# KiCad board longboi.kicad_pcb (continued)
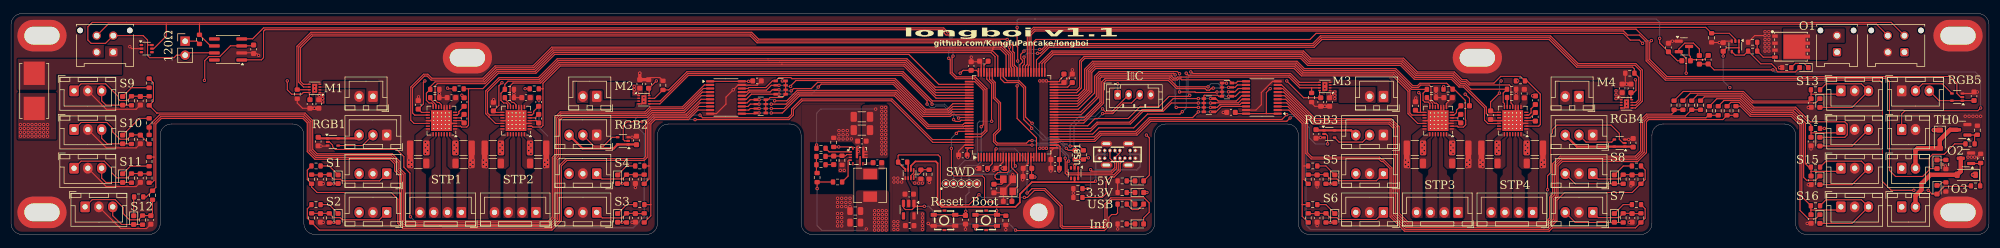
[diagram p0: board, top side]
## Library data of the parts (continued)
USB1 = -: Datasheet: https://lcsc.com/product-detail/USB-Type-C_Korean-Hroparts-Elec-TYPE-C-31-M-15_C223908.html; LCSC Part: C223908
Y1 = -: Description: Four pin crystal, GND on pins 2 and 4; LCSC: C9006; ki_fp_filters: Crystal*

## Footprints (pads in the part's own frame, mm; a bottom-side part is the same pattern mirrored in y, then rotated)
C_0603_1608Metric
  rrect 0.9x0.95 smd: 1(-0.775,0) 2(0.775,0)
C_0805_2012Metric
  rrect 1x1.45 smd: 1(-0.95,0) 2(0.95,0)
C_1206_3216Metric
  rrect 1.15x1.8 smd: 1(-1.475,0) 2(1.475,0)
C_1210_3225Metric
  rrect 1.15x2.7 smd: 1(-1.475,0) 2(1.475,0)
Crystal_SMD_3225-4Pin_3.2x2.5mm
  rect 1.4x1.2 smd: 1(-1.1,-0.85) 2(1.1,-0.85) 3(1.1,0.85) 4(-1.1,0.85)
D_SOD-123
  rrect 0.9x1.2 smd: 1(-1.65,0) 2(1.65,0)
DFN-8_L5.9-W5.2-P1.27-LS6.2-BL
  rect 0.6x1 smd: 1(-1.91,-2.92) 2(-0.63,-2.92) 3(0.63,-2.92) 4(1.9,-2.92) 5(1.9,2.92) 6(0.63,2.92) 7(-0.63,2.92) 8(-1.91,2.92)
  rect 4.41x4 smd: 9(0,0.61)
Fuseholder_Littelfuse_Nano2_154x
  rect 4.24x3.81 smd: 1(-3.185,0) 2(3.185,0)
JST_PH_B4B-PH-K_1x04_P2.00mm_Vertical
  rrect 1.2x1.75 hole 0.75: 1(0,0)
  oval 1.2x1.75 hole 0.75: 2(2,0) 3(4,0) 4(6,0)
JST_XH_B2B-XH-A_1x02_P2.50mm_Vertical
  rrect 1.7x2 hole 1: 1(0,0)
  oval 1.7x2 hole 1: 2(2.5,0)
JST_XH_B3B-XH-A_1x03_P2.50mm_Vertical
  rrect 1.7x1.95 hole 0.95: 1(0,0)
  oval 1.7x1.95 hole 0.95: 2(2.5,0) 3(5,0)
JST_XH_B4B-XH-A_1x04_P2.50mm_Vertical
  rrect 1.7x1.95 hole 0.95: 1(0,0)
  oval 1.7x1.95 hole 0.95: 2(2.5,0) 3(5,0) 4(7.5,0)
L_Chilisin_BMRA00050530
  rect 1.9x2.5 smd: 1(-2.05,0) 2(2.05,0)
LED_0603_1608Metric
  rrect 0.875x0.95 smd: 1(-0.787,0) 2(0.787,0)
LQFP-100_14x14mm_P0.5mm
  rrect 1.6x0.3 smd: 1(-7.675,6) 2(-7.675,5.5) 3(-7.675,5) 4(-7.675,4.5) 5(-7.675,4) 6(-7.675,3.5) 7(-7.675,3) 8(-7.675,2.5) 9(-7.675,2) 10(-7.675,1.5) 11(-7.675,1) 12(-7.675,0.5) 13(-7.675,0) 14(-7.675,-0.5) 15(-7.675,-1) 16(-7.675,-1.5) 17(-7.675,-2) 18(-7.675,-2.5) 19(-7.675,-3) 20(-7.675,-3.5) 21(-7.675,-4) 22(-7.675,-4.5) 23(-7.675,-5) 24(-7.675,-5.5) 25(-7.675,-6) 51(7.675,-6) 52(7.675,-5.5) 53(7.675,-5) 54(7.675,-4.5) 55(7.675,-4) 56(7.675,-3.5) 57(7.675,-3) 58(7.675,-2.5) 59(7.675,-2) 60(7.675,-1.5) 61(7.675,-1) 62(7.675,-0.5) 63(7.675,0) 64(7.675,0.5) 65(7.675,1) 66(7.675,1.5) 67(7.675,2) 68(7.675,2.5) 69(7.675,3) 70(7.675,3.5) 71(7.675,4) 72(7.675,4.5) 73(7.675,5) 74(7.675,5.5) 75(7.675,6)
  rrect 0.3x1.6 smd: 26(-6,-7.675) 27(-5.5,-7.675) 28(-5,-7.675) 29(-4.5,-7.675) 30(-4,-7.675) 31(-3.5,-7.675) 32(-3,-7.675) 33(-2.5,-7.675) 34(-2,-7.675) 35(-1.5,-7.675) 36(-1,-7.675) 37(-0.5,-7.675) 38(0,-7.675) 39(0.5,-7.675) 40(1,-7.675) 41(1.5,-7.675) 42(2,-7.675) 43(2.5,-7.675) 44(3,-7.675) 45(3.5,-7.675) 46(4,-7.675) 47(4.5,-7.675) 48(5,-7.675) 49(5.5,-7.675) 50(6,-7.675) 76(6,7.675) 77(5.5,7.675) 78(5,7.675) 79(4.5,7.675) 80(4,7.675) 81(3.5,7.675) 82(3,7.675) 83(2.5,7.675) 84(2,7.675) 85(1.5,7.675) 86(1,7.675) 87(0.5,7.675) 88(0,7.675) 89(-0.5,7.675) 90(-1,7.675) 91(-1.5,7.675) 92(-2,7.675) 93(-2.5,7.675) 94(-3,7.675) 95(-3.5,7.675) 96(-4,7.675) 97(-4.5,7.675) 98(-5,7.675) 99(-5.5,7.675) 100(-6,7.675)
Molex_Micro-Fit_3.0_43045-0212_2x01_P3.00mm_Vertical
  round 1.02 hole 1.02 unplated: (-3,-3.94) (3,-3.94)
  rrect 1.5x1.5 hole 1.02: 1(0,0)
  round 1.5 hole 1.02: 2(0,-3)
Molex_Micro-Fit_3.0_43045-0412_2x02_P3.00mm_Vertical
  round 1.02 hole 1.02 unplated: (-3,-3.94) (6,-3.94)
  rrect 1.5x1.5 hole 1.02: 1(0,0)
  round 1.5 hole 1.02: 2(3,0) 3(0,-3) 4(3,-3)
MountingHole_3.2mm_M3_ISO7380_Pad
  round 5.7 hole 3.2: 1(0,0)
MountingSlot3.2mm
  oval 8.9x5.7 hole 6.4x3.2: 1(0,0)
PinHeader_1x02_P2.54mm_Vertical
  rect 1.7x1.7 hole 1: 1(0,0)
  oval 1.7x1.7 hole 1: 2(0,-2.54)
QFN-28-1EP_5x5mm_P0.5mm_EP3.75x3.75mm_ThermalVias
  custom 0.383x0.383 smd: (-1.637,1.637) (-1.637,-1.637) (1.637,1.637) (1.637,-1.637)
  custom 0.383x0.564 smd: (-1.637,1.05) (-1.637,0.35) (-1.637,-0.35) (-1.637,-1.05) (1.637,1.05) (1.637,0.35) (1.637,-0.35) (1.637,-1.05)
  custom 0.564x0.383 smd: (-1.05,1.637) (-1.05,-1.637) (-0.35,1.637) (-0.35,-1.637) (0.35,1.637) (0.35,-1.637) (1.05,1.637) (1.05,-1.637)
  custom 0.564x0.564 smd: (-1.05,1.05) (-1.05,0.35) (-1.05,-0.35) (-1.05,-1.05) (-0.35,1.05) (-0.35,0.35) (-0.35,-0.35) (-0.35,-1.05) (0.35,1.05) (0.35,0.35) (0.35,-0.35) (0.35,-1.05) (1.05,1.05) (1.05,0.35) (1.05,-0.35) (1.05,-1.05)
  rrect 0.775x0.25 smd: 1(-2.462,1.5) 2(-2.462,1) 3(-2.462,0.5) 4(-2.462,0) 5(-2.462,-0.5) 6(-2.462,-1) 7(-2.462,-1.5) 15(2.462,-1.5) 16(2.462,-1) 17(2.462,-0.5) 18(2.462,0) 19(2.462,0.5) 20(2.462,1) 21(2.462,1.5)
  rrect 0.25x0.775 smd: 8(-1.5,-2.462) 9(-1,-2.462) 10(-0.5,-2.462) 11(0,-2.462) 12(0.5,-2.462) 13(1,-2.462) 14(1.5,-2.462) 22(1.5,2.462) 23(1,2.462) 24(0.5,2.462) 25(0,2.462) 26(-0.5,2.462) 27(-1,2.462) 28(-1.5,2.462)
  round 0.5 hole 0.2: 29(-1.4,1.4) 29(-1.4,0.7) 29(-1.4,0) 29(-1.4,-0.7) 29(-1.4,-1.4) 29(-0.7,1.4) 29(-0.7,0.7) 29(-0.7,0) 29(-0.7,-0.7) 29(-0.7,-1.4) 29(0,1.4) 29(0,0.7) 29(0,0) 29(0,-0.7) 29(0,-1.4) 29(0.7,1.4) 29(0.7,0.7) 29(0.7,0) 29(0.7,-0.7) 29(0.7,-1.4) 29(1.4,1.4) 29(1.4,0.7) 29(1.4,0) 29(1.4,-0.7) 29(1.4,-1.4)
  rect 3.3x3.3 smd far side: 29(0,0)
  rect 3.75x3.75 smd: 29(0,0)
R_0603_1608Metric
  rrect 0.8x0.95 smd: 1(-0.825,0) 2(0.825,0)
R_1206_3216Metric
  rrect 1.125x1.75 smd: 1(-1.462,0) 2(1.462,0)
R_Array_Convex_4x0603
  rect 0.8x0.5 smd: 1(-0.9,1.2) 4(-0.9,-1.2) 5(0.9,-1.2) 8(0.9,1.2)
  rect 0.8x0.4 smd: 2(-0.9,0.4) 3(-0.9,-0.4) 6(0.9,-0.4) 7(0.9,0.4)
SOIC-8_3.9x4.9mm_P1.27mm
  rrect 1.95x0.6 smd: 1(-2.475,1.905) 2(-2.475,0.635) 3(-2.475,-0.635) 4(-2.475,-1.905) 5(2.475,-1.905) 6(2.475,-0.635) 7(2.475,0.635) 8(2.475,1.905)
SOT-23
  rrect 1.475x0.6 smd: 1(-0.938,0.95) 2(-0.938,-0.95) 3(0.938,0)
SOT-23-5
  rrect 1.325x0.6 smd: 1(-1.137,0.95) 2(-1.137,0) 3(-1.137,-0.95) 4(1.137,-0.95) 5(1.137,0.95)
SOT-353_SC-70-5
  rrect 0.65x0.4 smd: 1(-0.95,0.65) 2(-0.95,0) 3(-0.95,-0.65) 4(0.95,-0.65) 5(0.95,0.65)
SOT-363_SC-70-6
  rrect 0.65x0.4 smd: 1(-0.95,0.65) 2(-0.95,0) 3(-0.95,-0.65) 4(0.95,-0.65) 5(0.95,0) 6(0.95,0.65)
SOT-583-8
  rrect 0.67x0.3 smd: 1(-0.74,0.75) 2(-0.74,0.25) 3(-0.74,-0.25) 4(-0.74,-0.75) 5(0.74,-0.75) 6(0.74,-0.25) 7(0.74,0.25) 8(0.74,0.75)
SW-SMD_4P-L3.4-W3.4-P2.00-LS4.0_TS3315A160GF
  rect 1.1x0.7 smd: 1(-1.95,1) 2(1.95,1) 3(-1.95,-1) 4(1.95,-1)
  rect 0.7x0.4 smd: 5(0,1.76) 5(0,-1.76)
TestPoint_THTPad_D1.0mm_Drill0.5mm
  round 1 hole 0.5: 1(0,0)
TSSOP-20_4.4x6.5mm_P0.65mm
  rrect 1.475x0.4 smd: 1(-2.862,2.925) 2(-2.862,2.275) 3(-2.862,1.625) 4(-2.862,0.975) 5(-2.862,0.325) 6(-2.862,-0.325) 7(-2.862,-0.975) 8(-2.862,-1.625) 9(-2.862,-2.275) 10(-2.862,-2.925) 11(2.862,-2.925) 12(2.862,-2.275) 13(2.862,-1.625) 14(2.862,-0.975) 15(2.862,-0.325) 16(2.862,0.325) 17(2.862,0.975) 18(2.862,1.625) 19(2.862,2.275) 20(2.862,2.925)
USBC-TH_TYPE-C-31-M-15
  oval 0.7x0.7 hole 0.4: 1(0.7,3.25) 2(0.7,2.3) 3(0.7,1.35) 4(0.7,0.45) 5(0.7,-0.45) 7(0.7,-2.3) 8(0.7,-3.25) 9(-0.7,-3.25) 10(-0.7,-2.3) 11(-0.7,-1.35) 12(-0.7,-0.45) 13(-0.7,0.45) 15(-0.7,2.3) 16(-0.7,3.25)
  oval 1x2 hole 0.5x1.4: 17(-1.93,2) 17(-1.93,-2) 17(1.93,2) 17(1.93,-2)
VQFN-HR-10_L3.0-W3.0_RPA
  rect 0.6x0.25 smd: 1(-1.36,0.75) 2(-1.36,0.25) 3(-1.36,-0.25) 4(-1.36,-0.75)
  rect 0.25x0.6 smd: 5(-0.89,-1.4) 7(0.91,-1.4) 10(-0.89,1.4)
  rect 0.25x1.7 smd: 6(0.41,-0.85)
  rect 0.4x2.1 smd: 8(0.99,0.65) 9(-0.17,0.65)
  rect 0.8x0.25 smd: 8(1.36,0.75) 8(1.36,0.25) 8(1.36,-0.25)
WSON-8-1EP_2x2mm_P0.5mm_EP0.9x1.6mm
  rect 0.75x0.65 smd: (0,0.4) (0,-0.4)
  rrect 0.5x0.25 smd: 1(-0.95,0.75) 2(-0.95,0.25) 3(-0.95,-0.25) 4(-0.95,-0.75) 5(0.95,-0.75) 6(0.95,-0.25) 7(0.95,0.25) 8(0.95,0.75)
  rect 0.9x1.6 smd: 9(0,0)

## Nets
+3.3V: C1.2 C2.2 C4.2 C5.2 C7.2 C9.2 C11.2 C12.2 C13.2 C14.1 C15.1 C19.2 C25.2 C31.2 C37.2 C40.2 C42.2 C44.2 C46.2 C52.1 C59.1 D3.2 D32.2 J1.1 J6.1 R2.2 R3.2 R103.1 R104.1 R105.1 R106.1 R110.2 RN1.5 RN1.6 RN1.7 RN1.8 RN2.5 RN2.6 RN2.7 RN2.8 RN3.5 RN3.6 RN3.7 RN3.8 RN4.5 RN4.6 RN4.7 RN4.8 SW2.1 SW2.2 U1.6 U1.11 U1.20 U1.21 U1.27 U1.50 U1.75 U1.100 U2.1 U2.20 U3.1 U3.20 U4.15 U5.15 U6.15 U7.15 U8.8 U9.8 U10.8 U11.8 U19.5 U24.3
+5V: C41.2 C43.2 C45.2 C47.2 C48.2 C49.2 C50.2 C51.2 C60.1 C61.1 C79.2 C80.2 D4.2 D15.2 D16.2 D17.2 D18.2 D19.2 D20.2 D21.2 D22.2 D23.2 D24.2 D25.2 D26.2 D27.2 D28.2 D29.2 D30.2 J15.3 J16.3 J17.3 J18.3 J23.3 J24.3 J25.3 J26.3 J27.3 J28.3 J29.3 J30.3 J31.3 J32.3 J33.3 J34.3 J35.3 J36.3 J37.3 J38.3 J40.3 L1.2 R13.1 R21.1 R29.1 R31.1 R33.1 R35.1 R37.1 R39.1 R41.1 R43.1 R45.1 R47.1 R49.1 R51.1 R53.1 R55.1 R57.1 R59.1 R107.1 U8.1 U9.1 U10.1 U11.1 U12.1 U12.5 U13.1 U13.5 U14.1 U14.5 U15.1 U15.5 U17.3 U17.5 U21.1 U21.5 U22.1 U22.5
+24V: C17.2 C20.2 C21.2 C23.2 C26.2 C27.2 C29.2 C32.2 C33.2 C35.2 C38.2 C39.2 C53.1 C54.1 C55.1 D7.1 D10.1 F1.2 J39.1 J41.1 J44.1 R16.1 U4.22 U4.28 U5.22 U5.28 U6.22 U6.28 U7.22 U7.28 U18.8
/Power/AGND: R15.1 R23.2 U18.3 U18.10
GND: C1.1 C2.1 C3.2 C4.1 C5.1 C6.2 C7.1 C8.1 C9.1 C10.1 C11.1 C12.1 C13.1 C14.2 C15.2 C18.1 C19.1 C20.1 C21.1 C24.1 C25.1 C26.1 C27.1 C30.1 C31.1 C32.1 C33.1 C36.1 C37.1 C38.1 C39.1 C40.1 C41.1 C42.1 C43.1 C44.1 C45.1 C46.1 C47.1 C48.1 C49.1 C50.1 C51.1 C52.2 C53.2 C54.2 C55.2 C57.2 C59.2 C60.2 C61.2 C62.2 C63.2 C64.2 C65.2 C66.2 C67.2 C68.2 C69.2 C70.2 C71.2 C72.2 C73.2 C74.2 C75.2 C76.2 C77.2 C78.2 C79.1 C80.1 C82.1 D32.1 H1.1 H2.1 H3.1 H4.1 H5.1 H6.1 H7.1 J5.1 J6.4 J15.1 J16.1 J17.1 J18.1 J20.2 J21.2 J23.2 J24.2 J25.2 J26.2 J27.2 J28.2 J29.2 J30.2 J31.2 J32.2 J33.2 J34.2 J35.2 J36.2 J37.2 J38.2 J40.1 J50.2 Q1.1 Q1.2 Q1.3 Q2.2 Q4.2 R1.1 R4.2 R5.2 R6.2 R7.2 R8.2 R9.2 R10.2 R11.2 R14.2 R15.2 R20.2 R24.1 R25.1 R26.1 R27.1 R28.2 R61.1 R63.2 R64.1 R66.2 R67.1 R68.1 R69.1 R70.1 R72.2 R73.2 R95.1 R96.1 R97.1 R98.1 R99.2 R100.2 R101.2 R102.2 SW1.1 SW1.2 U1.10 U1.19 U1.26 U1.49 U1.74 U1.99 U2.10 U2.19 U3.10 U3.19 U4.3 U4.9 U4.10 U4.18 U4.29 U5.3 U5.9 U5.10 U5.18 U5.29 U6.3 U6.9 U6.10 U6.18 U6.29 U7.3 U7.9 U7.10 U7.18 U7.29 U8.4 U8.9 U9.4 U9.9 U10.4 U10.9 U11.4 U11.9 U12.3 U13.3 U14.3 U15.3 U17.1 U18.9 U19.2 U20.2 U21.3 U22.3 U23.2 U24.2 USB1.1 USB1.8 USB1.9 USB1.16 USB1.17 Y1.2 Y1.4
VBUS: U17.6 U20.5 USB1.2 USB1.7 USB1.10 USB1.15
/24V_CAN/CANH: J19.2 J20.3 J21.3 U23.6 U24.7
/24V_CAN/CANL: J20.4 J21.4 R12.1 U23.5 U24.6
/Endstops/Switch 1/SW: R60.2 R94.1 U3.6
/Endstops/Switch 2/SW: R56.2 R92.1 U3.7
/Endstops/Switch 3/SW: R48.2 R88.1 U3.9
/Endstops/Switch 4/SW: R52.2 R90.1 U3.8
/Endstops/Switch 5/SW: R44.2 R86.1 U2.3
/Endstops/Switch 6/SW: R40.2 R84.1 U2.2
/Endstops/Switch 7/SW: R36.2 R82.1 U2.4
/Endstops/Switch 8/SW: R32.2 R80.1 U2.5
/Endstops/Switch 9/SW: R58.2 R93.1 U3.2
/Endstops/Switch 10/SW: R54.2 R91.1 U3.3
/Endstops/Switch 11/SW: R50.2 R89.1 U3.4
/Endstops/Switch 12/SW: R46.2 R87.1 U3.5
/Endstops/Switch 13/SW: R42.2 R85.1 U2.9
/Endstops/Switch 14/SW: R38.2 R83.1 U2.8
/Endstops/Switch 15/SW: R34.2 R81.1 U2.7
/Endstops/Switch 16/SW: R30.2 R79.1 U2.6
/Outputs/High Power 1/EN: D5.2 R62.1 U21.4
/Power/FB: C58.2 R22.2 R23.1 U18.2
/Power/PG: R107.2 U18.4
BOOT0: R28.1 SW2.3 SW2.4 U1.94
CAN_RX: U1.95 U24.4
CAN_TX: U1.96 U24.1
I2C5_SCL: J6.3 R3.1 U1.67
I2C5_SDA: J6.2 R2.1 U1.66
INFO: D1.2 U1.7
MOT1_IN1: U1.61 U8.6
MOT1_IN2: U1.63 U8.5
MOT1_SLP: R26.2 U1.62 U8.7
MOT2_IN1: U1.89 U9.6
MOT2_IN2: U1.90 U9.5
MOT2_SLP: R27.2 U1.83 U9.7
MOT3_IN1: U1.31 U10.6
MOT3_IN2: U1.34 U10.5
MOT3_SLP: R67.2 U1.38 U10.7
MOT4_IN1: U1.59 U11.6
MOT4_IN2: U1.60 U11.5
MOT4_SLP: R68.2 U1.54 U11.7
NRST: C62.1 J4.1 SW1.3 SW1.4 U1.14
OUT1: R20.1 U1.58 U21.2
OUT2: D6.2 R65.1 U1.57
OUT3: D9.2 R71.1 U1.56
RGB1: U1.97 U12.2
RGB2: U1.98 U13.2
RGB3: U1.29 U14.2
RGB4: U1.28 U15.2
RGB5: U1.55 U22.2
STP1_DIAG: U1.69 U4.11
STP1_DIR: U1.64 U4.19
STP1_EN: R103.2 U1.77 U4.2
STP1_STEP: U1.65 U4.16
STP1_UART: R95.2 U1.68 U4.14
STP2_DIAG: U1.81 U5.11
STP2_DIR: U1.78 U5.19
STP2_EN: R104.2 U1.82 U5.2
STP2_STEP: U1.79 U5.16
STP2_UART: R96.2 U1.80 U5.14
STP3_DIAG: U1.44 U6.11
STP3_DIR: U1.41 U6.19
STP3_EN: R105.2 U1.45 U6.2
STP3_STEP: U1.42 U6.16
STP3_UART: R97.2 U1.43 U6.14
STP4_DIAG: U1.52 U7.11
STP4_DIR: U1.46 U7.19
STP4_EN: R106.2 U1.53 U7.2
STP4_STEP: U1.47 U7.16
STP4_UART: R98.2 U1.51 U7.14
SW1: RN4.1 U1.88 U3.14
SW2: RN4.2 U1.91 U3.13
SW3: RN4.4 U1.93 U3.11
SW4: RN4.3 U1.92 U3.12
SW5: RN1.2 U1.39 U2.17
SW6: RN1.1 U1.30 U2.18
SW7: RN1.3 U1.32 U2.16
SW8: RN1.4 U1.33 U2.15
SW9: RN3.1 U1.84 U3.18
SW10: RN3.2 U1.85 U3.17
SW11: RN3.3 U1.86 U3.16
SW12: RN3.4 U1.87 U3.15
SW13: RN2.4 U1.37 U2.11
SW14: RN2.3 U1.36 U2.12
SW15: RN2.2 U1.35 U2.13
SW16: RN2.1 U1.40 U2.14
SWCLK: J3.1 U1.76
SWDIO: J2.1 U1.72
TH0: C82.2 R109.1 U1.22
USB_DN: U1.70 U20.1 USB1.5 USB1.13
USB_DP: U1.71 U20.6 USB1.4 USB1.12
Net-(C8-Pad2): C8.2 U1.48
Net-(C10-Pad2): C10.2 U1.73
Net-(C58-Pad1): C58.1 R19.2
Net-(D1-K): D1.1 R1.2
Net-(D2-A): D2.2 R18.1
Net-(D2-K): D2.1 R17.2 U17.8
Net-(D3-K): D3.1 R24.2
Net-(D4-K): D4.1 R25.2
Net-(D5-K): D5.1 R61.2
Net-(D6-K): D6.1 R64.2
Net-(D7-A): D7.2 J41.2 Q2.3
Net-(D9-K): D9.1 R70.2
Net-(D10-A): D10.2 J44.2 Q4.3
Net-(D15-K): D15.1 R79.2
Net-(D16-K): D16.1 R80.2
Net-(D17-K): D17.1 R81.2
Net-(D18-K): D18.1 R82.2
Net-(D19-K): D19.1 R83.2
Net-(D20-K): D20.1 R84.2
Net-(D21-K): D21.1 R85.2
Net-(D22-K): D22.1 R86.2
Net-(D23-K): D23.1 R87.2
Net-(D24-K): D24.1 R88.2
Net-(D25-K): D25.1 R89.2
Net-(D26-K): D26.1 R90.2
Net-(D27-K): D27.1 R91.2
Net-(D28-K): D28.1 R92.2
Net-(D29-K): D29.1 R93.2
Net-(D30-K): D30.1 R94.2
Net-(D32-K-Pad3): D32.3 R108.1 R109.2
Net-(J7-Pin_1): J7.1 U4.1
Net-(J7-Pin_2): J7.2 U4.26
Net-(J7-Pin_3): J7.3 U4.24
Net-(J7-Pin_4): J7.4 U4.21
Net-(J8-Pin_1): J8.1 U5.1
Net-(J8-Pin_2): J8.2 U5.26
Net-(J8-Pin_3): J8.3 U5.24
Net-(J8-Pin_4): J8.4 U5.21
Net-(J9-Pin_1): J9.1 U6.1
Net-(J9-Pin_2): J9.2 U6.26
Net-(J9-Pin_3): J9.3 U6.24
Net-(J9-Pin_4): J9.4 U6.21
Net-(J10-Pin_1): J10.1 U7.1
Net-(J10-Pin_2): J10.2 U7.26
Net-(J10-Pin_3): J10.3 U7.24
Net-(J10-Pin_4): J10.4 U7.21
Net-(J11-Pin_1): J11.1 U8.3
Net-(J11-Pin_2): J11.2 U8.2
Net-(J12-Pin_1): J12.1 U9.3
Net-(J12-Pin_2): J12.2 U9.2
Net-(J13-Pin_1): J13.1 U10.3
Net-(J13-Pin_2): J13.2 U10.2
Net-(J14-Pin_1): J14.1 U11.3
Net-(J14-Pin_2): J14.2 U11.2
Net-(J15-Pin_2): J15.2 U12.4
Net-(J16-Pin_2): J16.2 U13.4
Net-(J17-Pin_2): J17.2 U14.4
Net-(J18-Pin_2): J18.2 U15.4
Net-(J19-Pin_1): J19.1 R12.2
Net-(J20-Pin_1): F1.1 J20.1 J21.1
Net-(J23-Pin_1): C63.1 J23.1 R29.2 R30.1
Net-(J24-Pin_1): C64.1 J24.1 R31.2 R32.1
Net-(J25-Pin_1): C65.1 J25.1 R33.2 R34.1
Net-(J26-Pin_1): C66.1 J26.1 R35.2 R36.1
Net-(J27-Pin_1): C67.1 J27.1 R37.2 R38.1
Net-(J28-Pin_1): C68.1 J28.1 R39.2 R40.1
Net-(J29-Pin_1): C69.1 J29.1 R41.2 R42.1
Net-(J30-Pin_1): C70.1 J30.1 R43.2 R44.1
Net-(J31-Pin_1): C71.1 J31.1 R45.2 R46.1
Net-(J32-Pin_1): C72.1 J32.1 R47.2 R48.1
Net-(J33-Pin_1): C73.1 J33.1 R49.2 R50.1
Net-(J34-Pin_1): C74.1 J34.1 R51.2 R52.1
Net-(J35-Pin_1): C75.1 J35.1 R53.2 R54.1
Net-(J36-Pin_1): C76.1 J36.1 R55.2 R56.1
Net-(J37-Pin_1): C77.1 J37.1 R57.2 R58.1
Net-(J38-Pin_1): C78.1 J38.1 R59.2 R60.1
Net-(J39-Pin_2): J39.2 Q1.5 Q1.6 Q1.7 Q1.8 Q1.9
Net-(J40-Pin_2): J40.2 U22.4
Net-(J50-Pin_1): J50.1 R108.2 R110.1
Net-(Q1-G): Q1.4 R62.2 R63.1
Net-(Q2-G): Q2.1 R65.2 R66.1
Net-(Q4-G): Q4.1 R71.2 R72.1
Net-(R19-Pad1): R19.1 R21.2 R22.1
Net-(U1-PH0): C3.1 U1.12 Y1.3
Net-(U1-PH1): C6.1 U1.13 Y1.1
Net-(U4-5VOUT): C18.2 U4.8
Net-(U4-BRA): R4.1 U4.23
Net-(U4-BRB): R5.1 U4.27
Net-(U4-CLK): R99.1 U4.13
Net-(U4-CPI): C16.1 U4.5
Net-(U4-CPO): C16.2 U4.4
Net-(U4-VCP): C17.1 U4.6
Net-(U5-5VOUT): C24.2 U5.8
Net-(U5-BRA): R6.1 U5.23
Net-(U5-BRB): R7.1 U5.27
Net-(U5-CLK): R100.1 U5.13
Net-(U5-CPI): C22.1 U5.5
Net-(U5-CPO): C22.2 U5.4
Net-(U5-VCP): C23.1 U5.6
Net-(U6-5VOUT): C30.2 U6.8
Net-(U6-BRA): R8.1 U6.23
Net-(U6-BRB): R9.1 U6.27
Net-(U6-CLK): R101.1 U6.13
Net-(U6-CPI): C28.1 U6.5
Net-(U6-CPO): C28.2 U6.4
Net-(U6-VCP): C29.1 U6.6
Net-(U7-5VOUT): C36.2 U7.8
Net-(U7-BRA): R10.1 U7.23
Net-(U7-BRB): R11.1 U7.27
Net-(U7-CLK): R102.1 U7.13
Net-(U7-CPI): C34.1 U7.5
Net-(U7-CPO): C34.2 U7.4
Net-(U7-VCP): C35.1 U7.6
Net-(U17-PR1): R13.2 R14.1 U17.4
Net-(U18-BOOT): C56.1 U18.7
Net-(U18-EN): R16.2 U18.1
Net-(U18-SW): C56.2 L1.1 U18.6
Net-(U19-CE): C57.1 R17.1 R18.2 U17.2 U17.7 U19.1 U19.3
Net-(USB1-CC1): R69.2 USB1.3
Net-(USB1-CC2): R73.1 USB1.11

Pads without a net: SW1 5; SW2 5; U1 1 2 3 4 5 8 9 15 16 17 18 23 24 25; U4 7 12 17 20 25; U5 7 12 17 20 25; U6 7 12 17 20 25; U7 7 12 17 20 25; U18 5; U19 4; U20 3 4; U23 1 3 4; U24 5 8

## Via types
v1: diameter 0.6, hole 0.3, Top to Bottom, 454 vias

## Routing (per net, layer and track width the routed paths; a pad name or vN(x,y) marks a point on that pad's centre or on a via; arc(x,y) is an arc through that point)
+3.3V: length 158.9
  Top w0.2: v1(174.6,1) 174.55,1.05 SW2.2 SW2.1 ; 184.72,11.95 C9.2 185.22,10.47 v1(185.3,10.4) ; v1(269.4,25.6) 267.8,24 C37.2 ; v1(230.9,27.8) 233.95,24.75 C44.2 ; v1(88.86,27.47) 88.3,26.92 88.3,23.37 C25.2 ; C11.2 173.05,15.3 U1.100 ; v1(79,26.5) 79.13,26.37 80.28,26.37 ; RN4.5 RN4.6 RN4.7 RN4.8 137,24.4 137.4,24.8 139.6,24.8 RN3.5 RN3.6 RN3.7 RN3.8 v1(139.6,27.8) ; U5.15 87.56,22.11 ; U1.21 U1.20 184.6,12.12 ; v1(189.7,11.5) 189.75,11.55 C1.2 C2.2 ; v1(74.9,27.8) 74.62,27.52 74.62,23.62 C19.2 74.29,22.11 U4.15 ; 194.4,13.88 v1(195,13.88) ; U1.75 174.72,29.72 C7.2 172.32,29.72 v1(171.8,29.2) ; 115.47,26.47 v1(116.8,27.8) ; 180.1,12.22 U1.11 ; 268.06,22.11 U7.15 ; 227.2,21.88 U2.20 221.8,21.88 C14.1 ; 227.2,21.88 U2.1 ; 227.2,21.88 227.2,25.7 v1(227.9,26.4) ; v1(50,27.8) 50,26.2 50.8,25.4 52.6,25.4 52.9,25.7 U8.8 54,24.5 ; U1.27 189.61,16.17 189.88,15.91 189.88,13.7 ; RN1.8 RN1.7 RN1.6 RN1.5 215.9,25.1 216,25.2 218.4,25.2 218.57,25.03 219.18,25.03 219.18,27.42 219.97,27.42 v1(220,27.4) ; U6.15 255.1,22.11 ; 255.1,22.11 255.1,25.37 v1(254.8,25.67) ; 255.1,22.11 254.59,22.11 C31.2 ; v1(294,28) 294.1,27.9 294.1,26.1 293.68,25.67 C46.2 293.2,24.55 U11.8 ; R105.1 259.27,26.75 v1(259.3,26.78) ; C13.2 177.6,12.83 U1.6 ; v1(187.4,27.8) 187.53,27.67 U1.50 189.78,27.67 189.8,27.7 189.8,27.95 190.57,28.73 ; R2.2 R3.2 ; C5.2 179.43,11.97 v1(179.4,12) ; U10.8 236.85,24.95 ; R104.1 93.08,26.37 v1(93.05,26.4) ; D3.2 v1(205.6,7.6) ; D32.2 301.85,33.55 302.95,34.65 304.51,34.65 305.59,33.56 R110.2 ; v1(35,27.9) 35.01,27.9 35.06,27.94 35.06,31.46 35.81,32.22 37.78,32.22 39.72,34.16 43.77,34.16 ; 134.18,27.72 v1(133.5,27.72) U3.20 U3.1 ; 301.99,33.1 303.2,31.89 v1(303.2,29.2) ; U9.8 115.5,26.38 ; R106.1 v1(272.7,27.8)
  Power w0.2: v1(259.3,26.78) 259.3,27.7 ; v1(254.8,25.67) 254.8,27.6 ; v1(171.8,29.2) 171.8,28.1 ; v1(93.05,26.4) 93.05,27.45 93.1,27.5 ; v1(200.3,27.26) 200.3,27.7 ; v1(79,26.5) 79,27.6 ; v1(303.2,29.2) 303.2,28.1 ; v1(227.9,26.4) 227.9,27.5
  Bottom w0.2: J6.1 200.3,27.4 v1(200.3,27.26) ; v1(269.7,27.8) 269.4,27.5 v1(269.4,25.6)
  vias: v1(164.97,3.7) v1(164.97,3) v1(164.97,2.3) v1(164.97,1.6) v1(164.97,0.9) v1(173.1,14) v1(176.7,11.6) v1(186.2,27.8) v1(186.2,15.6) v1(186.8,27.8) v1(186.8,15.6) v1(187.4,15.6)
+5V: length 225.1
  Top w0.2: J24.3 283.12,9.18 R31.1 ; J35.3 16.4,17.4 17.39,16.41 D27.2 21.76,16.41 ; 239.56,9.18 v1(238.8,9.18) R43.1 ; R39.1 239.56,2.18 ; 21.76,9.41 D25.2 17.19,9.41 16.4,10.2 J33.3 ; J26.3 283.12,2.18 R35.1 ; U17.3 162.88,10.66 163.38,11.16 U17.5 ; 312.75,33.8 310.52,33.8 C79.2 v1(309.9,32.3) ; 312.75,33.8 U21.5 ; 312.75,33.8 U21.1 ; v1(205.5,18) 206.03,17.47 206.03,10.73 D4.2 ; D26.2 111.36,9.21 ; 21.76,23.41 D29.2 17.19,23.41 16.4,24.2 J37.3 ; R29.1 328.5,6.28 334.92,6.28 J23.3 333.21,2.01 D15.2 ; R41.1 328.5,27.28 334.92,27.28 J29.3 333.21,23.01 D21.2 ; R45.1 23.76,1.81 D23.2 19.99,1.81 18.4,3.4 J31.3 ; J40.3 348.98,24.22 U22.5 U22.1 355.27,24.22 ; R55.1 59.16,2.18 ; D17.2 333.21,9.01 J25.3 334.92,13.28 328.5,13.28 R33.1 ; R107.1 145.93,9.5 ; J27.3 333.21,16.01 D19.2 ; R21.1 v1(145.9,8.3) ; R37.1 v1(328.2,19.2) ; R59.1 59.16,9.18 ; D24.2 111.36,2.21
  Top w0.4: J17.3 242.55,18.85 U14.5 U14.1 236.32,18.85 ; J15.3 62.4,17.4 U12.5 U12.1 55.8,17.4 ; 293.52,15.9 U15.1 U15.5 283.4,15.9 J18.3 ; 113.15,16.3 U13.1 U13.5 109.07,15.57 103.43,15.57 J16.3
  Bottom w0.2: v1(154.8,1) 154.55,0.75 146.75,0.75 145.9,1.6 v1(145.9,8.3) ; v1(311.1,26.6) 309.9,27.8 v1(309.9,32.3)
  vias: v1(55.8,25.2) v1(56.4,25.2) v1(56.4,24.6) v1(56.4,24) v1(58.4,9.18) v1(58.4,2.18) v1(110.6,9.21) v1(110.6,2.21) v1(112.8,26.8) v1(112.8,26.2) v1(112.8,25.6) v1(113.4,25.6) v1(156.3,4.3) v1(156.3,3.6) v1(156.3,2.9) v1(156.3,2.2) v1(156.3,1.5) v1(156.3,0.8) v1(157,4.3) v1(157,3.6) v1(157,2.9) v1(157,2.2) v1(157,1.5) v1(157,0.8) v1(157.7,4.3) v1(157.7,3.6) v1(157.7,2.9) v1(157.7,2.2) v1(157.7,1.5) v1(157.7,0.8) v1(158.4,4.3) v1(158.4,3.6) v1(158.4,2.9) v1(158.4,2.2) v1(158.4,1.5) v1(158.4,0.8) v1(163.57,9.3) v1(164.28,9.3) v1(164.97,9.3) v1(238.8,2.18) v1(239,25.4) v1(239.6,25.8) v1(239.6,25.2) v1(239.6,24.6) v1(290.5,26) v1(290.5,25.3) v1(290.5,24.6) v1(291,24.9)
+24V: length 30
  Top w0.2: C35.2 275.43,25.08 v1(275.4,25.1) ; v1(145.8,16.2) 145.78,16.17 R16.1 ; C23.2 95.5,24.35 v1(95.55,24.3) ; 263.98,23.3 263.98,24.62 v1(263.2,25.4) ; 82,24.8 v1(81.6,25.2)
  Top w0.8: D10.1 v1(355.1,10.8) ; D7.1 v1(348,18.9)
  Bottom w0.2: v1(145.8,16.2) 145.8,21.95 146.55,22.7 v1(156.5,22.7) ; v1(95.55,24.3) 95.55,19.4 97.15,17.8
  vias: v1(1.7,19.9) v1(1.7,19.2) v1(1.7,18.5) v1(1.7,17.8) v1(2.4,19.9) v1(2.4,19.2) v1(2.4,18.5) v1(2.4,17.8) v1(3.1,19.9) v1(3.1,19.2) v1(3.1,18.5) v1(3.1,17.8) v1(3.8,19.9) v1(3.8,19.2) v1(3.8,18.5) v1(3.8,17.8) v1(4.5,19.9) v1(4.5,19.2) v1(4.5,18.5) v1(4.5,17.8) v1(5.2,19.9) v1(5.2,19.2) v1(5.2,18.5) v1(5.2,17.8) v1(5.9,19.9) v1(5.9,19.2) v1(5.9,18.5) v1(5.9,17.8) v1(6.6,19.9) v1(6.6,19.2) v1(6.6,18.5) v1(6.6,17.8) v1(75,16.67) v1(75,15.67) v1(75,14.67) v1(75.4,16.17) v1(75.4,15.17) v1(80.2,16.17) v1(80.2,15.17) v1(80.6,16.67) v1(80.6,15.67) v1(80.6,14.67) v1(88.5,16.67) v1(88.5,15.67) v1(88.5,14.67) v1(88.9,16.17) v1(88.9,15.17) v1(93.7,16.17) v1(93.7,15.17) v1(94.1,16.67) v1(94.1,15.67) v1(94.1,14.67) v1(157.6,23) v1(157.6,22.3) v1(157.6,21.6) v1(157.6,20.9) v1(157.6,20.2) v1(157.6,19.5) v1(157.6,18.8) v1(157.6,18.1) v1(157.6,17.4) v1(157.6,16.7) v1(157.6,16) v1(157.6,15.3) v1(157.6,14.6) v1(158.3,23) v1(158.3,22.3) v1(158.3,21.6) v1(158.3,20.9) v1(158.3,20.2) v1(158.3,19.5) v1(158.3,18.8) v1(158.3,18.1) v1(158.3,17.4) v1(158.3,16.7) v1(158.3,16) v1(158.3,15.3) v1(158.3,14.6) v1(255.4,16.67) v1(255.4,15.67) v1(255.4,14.67) v1(255.8,16.17) v1(255.8,15.17) v1(260.6,16.17) v1(260.6,15.17) v1(261,16.67) v1(261,15.67) v1(261,14.67) v1(268.9,16.67) v1(268.9,15.67) v1(268.9,14.67) v1(269.3,16.17) v1(269.3,15.17) v1(274.1,16.17) v1(274.1,15.17) v1(274.5,16.67) v1(274.5,15.67) v1(274.5,14.67)
/Power/AGND: length 3.6
  Top w0.2: R15.1 v1(149.8,15.85) 152.14,15.85 U18.10
  vias: v1(150.1,11.6) v1(150.8,11.6)
GND: length 221.3
  Top w0.2: C62.2 v1(172.75,0.96) ; R27.1 117.42,28.4 115.78,28.4 C42.1 ; v1(173.8,32.1) 173.78,32.08 C7.1 175.2,31.28 ; U22.3 355.02,25.53 ; J35.2 17.23,15.67 22.65,15.67 C75.2 ; R97.1 R101.2 259.32,24.77 ; v1(325.3,9) 325.32,9.03 C65.2 ; U4.18 U4.29 ; v1(44.81,32.42) 44.48,32.75 C52.2 ; 309.88,34.75 v1(309.2,34.75) 307.82,34.75 307.8,34.78 ; J33.2 17.23,8.67 22.65,8.67 23.4,9.43 ; 41.78,32.89 43.77,32.89 ; 174.88,11.97 v1(174.8,11.9) ; C70.2 v1(236.4,8.6) ; v1(166.2,9.4) 166.18,9.43 166.18,10.07 ; 190.57,27.55 C8.1 192.07,29.78 v1(192.1,29.8) ; v1(192.52,12.57) 192.5,12.54 U20.2 ; U1.49 190.25,27.17 C4.1 ; C15.2 135.02,27.02 132.31,27.02 ; J37.2 17.23,22.67 22.65,22.67 C77.2 ; U7.29 U7.18 268.01,20.61 ; U5.18 U5.29 ; R63.2 315.61,36.01 v1(317.47,36.01) ; U7.9 272.8,21.61 ; 57.2,16 v1(56.1,16) 56.05,16.05 C48.1 ; v1(325.1,2) 325.12,2.03 C63.2 ; U23.2 21.85,33.65 v1(21.5,34) ; 181.3,9.7 179.6,8 ; C12.1 184.1,12.88 U1.19 ; R69.1 v1(192.28,7.5) R73.2 ; U1.26 188.2,15.1 C2.1 C1.1 v1(188.2,11.5) ; U6.9 259.3,22.31 ; D32.1 v1(300.7,35) 300.36,35 C82.1 ; C66.2 292.93,2.22 v1(292.9,2.2) ; v1(56.5,2.2) 56.47,2.22 C76.2 ; R102.2 R98.1 ; U6.18 U6.29 ; 220.02,22.1 v1(219.4,22.1) ; 292.57,27.4 v1(292.4,27.22) 292.18,27.45 R68.1 ; U1.74 175.6,31.08 ; v1(183.1,9.9) 183.18,9.97 183.18,11.95 ; U4.9 78.9,21.61 ; C74.2 v1(113,8.5) ; v1(73.75,24.9) 73.7,24.85 C19.1 ; U4.10 78.4,22.21 ; C72.2 112.43,2.22 v1(112.4,2.2) ; J31.2 19.83,1.07 24.52,1.07 C71.2 ; R26.1 51.8,23.8 52.75,22.85 C40.1 ; 178.41,11.97 179.6,13.17 U1.10 ; U6.10 258.8,21.11 ; U5.9 92.4,21.61 ; C69.2 325.32,23.03 v1(325.3,23) ; U3.10 127.68,21.88 129.4,23.6 129.4,24.87 131.61,27.08 U3.19 ; 350.12,11.8 v1(350.12,12.4) ; U7.3 272.3,20.11 ; U9.4 114.15,23.65 v1(114.55,24.05) ; C18.1 R99.2 R95.1 ; R28.2 v1(180.05,0.86) ; v1(56.5,9.2) 56.47,9.22 C78.2 ; v1(254.25,24.7) 254.2,24.65 C31.1 ; U1.99 172.59,16.17 171.5,15.08 C11.1 v1(171.5,13.9) ; U15.3 293.43,17.2 ; U21.3 310.18,35 ; R24.1 R25.1 ; C44.1 236,23.2 235.4,23.8 R67.1 ; v1(166,2) 166.44,1.56 SW1.2 SW1.1 ; 293.4,9 v1(293.2,8.8) ; v1(87.35,24.4) 87.3,24.35 C25.1 ; U13.3 113,17.6 ; 92.43,24.77 R100.2 R96.1 ; Y1.2 v1(181.3,10.8) ; U11.4 292,22.9 v1(292.4,23.3) ; U5.10 91.9,21.11 ; U2.10 228.32,27.72 226.3,25.7 226.3,23.5 225.32,22.53 U2.19 ; C3.2 179.35,7.55 ; R61.1 v1(320.11,30.21) ; U4.3 78.4,20.11 ; U6.3 258.8,20.11 ; U5.3 93,20.11 ; C67.2 v1(325.8,15.5) ; C68.2 v1(236.4,1.6) ; U7.10 272.3,21.11 ; C6.2 Y1.4 ; 178.28,11.97 v1(177.9,11.6) ; 236.32,17.55 v1(237,17.55) U14.3 ; C80.1 v1(355.9,25.8) ; R1.1 200.29,1.01 v1(200.3,1)
  Top w0.6: C40.1 v1(54.9,22.85) C41.1 ; C42.1 C43.1 v1(113.8,29.2) ; C44.1 v1(237.8,23.2) C45.1 ; 291.6,27.22 293.2,27.22
  Top w1: 72.22,15.67 72.22,12.88 ; C33.1 252.62,12.88 ; 85.72,15.67 85.72,12.88 ; C39.1 277.27,12.89 ; C20.1 83.38,12.88 ; C38.1 266.12,12.89 ; C32.1 263.77,12.88 ; C27.1 96.88,12.88
  vias: v1(54.95,26.8) v1(54.95,26.1) v1(72,13.47) v1(72,12.67) v1(72.5,13.07) v1(72.5,12.27) v1(77.53,25.5) v1(83.1,13.07) v1(83.1,12.27) v1(83.6,13.47) v1(83.6,12.67) v1(85.5,13.47) v1(85.5,12.67) v1(86,13.07) v1(86,12.27) v1(91.03,25.5) v1(96.6,13.07) v1(96.6,12.27) v1(97.1,13.47) v1(97.1,12.67) v1(112.4,17.6) v1(114.55,24.75) v1(130.72,26.18) v1(149.6,6.55) v1(149.6,5.8) v1(149.6,5.05) v1(149.6,3.8) v1(149.6,3.05) v1(149.6,2.3) v1(149.6,1.55) v1(149.85,18.8) v1(149.85,18.05) v1(149.85,17.3) v1(150.35,6.55) v1(150.35,5.8) v1(150.35,5.05) v1(150.35,3.8) v1(150.35,3.05) v1(150.35,2.3) v1(150.35,1.55) v1(150.6,18.8) v1(150.6,18.05) v1(150.6,17.3) v1(151.1,6.55) v1(151.1,5.8) v1(151.1,5.05) v1(151.35,18.8) v1(151.35,18.05) v1(151.35,17.3) v1(151.85,6.55) v1(151.85,5.8) v1(151.85,5.05) v1(152.1,17.3) v1(153.35,15.8) v1(153.35,15.05) v1(159.8,10.2) v1(159.8,9.5) v1(159.8,2.3) v1(159.8,1.6) v1(159.8,0.9) v1(160.5,10.2) v1(160.5,9.5) v1(160.5,2.3) v1(160.5,1.6) v1(160.5,0.9) v1(161.2,9.5) v1(237.8,27.2) v1(237.8,26.4) v1(252.4,13.47) v1(252.4,12.67) v1(252.9,13.07) v1(252.9,12.27) v1(257.93,25.5) v1(263.5,13.07) v1(263.5,12.27) v1(264,13.47) v1(264,12.67) v1(265.9,13.47) v1(265.9,12.67) v1(266.4,13.08) v1(266.4,12.28) v1(272.43,25.53) v1(277,13.08) v1(277,12.28) v1(277.5,13.47) v1(277.5,12.67) v1(292.4,24) v1(292.8,17.2) v1(317.47,36.71) v1(317.47,35.31) v1(317.47,34.61) v1(317.47,33.91) v1(317.47,33.21) v1(318.17,36.71) v1(318.17,36.01) v1(318.17,35.31) v1(318.17,34.61) v1(318.17,33.91) v1(318.17,33.21) v1(353.7,21.4) v1(354.2,14) v1(354.4,21.4) v1(354.8,14) v1(355.1,21.4) v1(355.4,14) v1(355.8,21.4) v1(356,14) v1(356.5,21.4)
